# Altium PCB PCB_SIM808_ArduinoNano.PcbDoc
Units mil, origin at the board's own origin, x right, y up, seen from the top; angles counter-clockwise.
Board outline 2764 x 2653 mil, 2 copper layers (Top Layer, Bottom Layer); 19 components, 22 nets, 149 pads, 2 vias.
Unrouted connection lines stored in the file: 1.
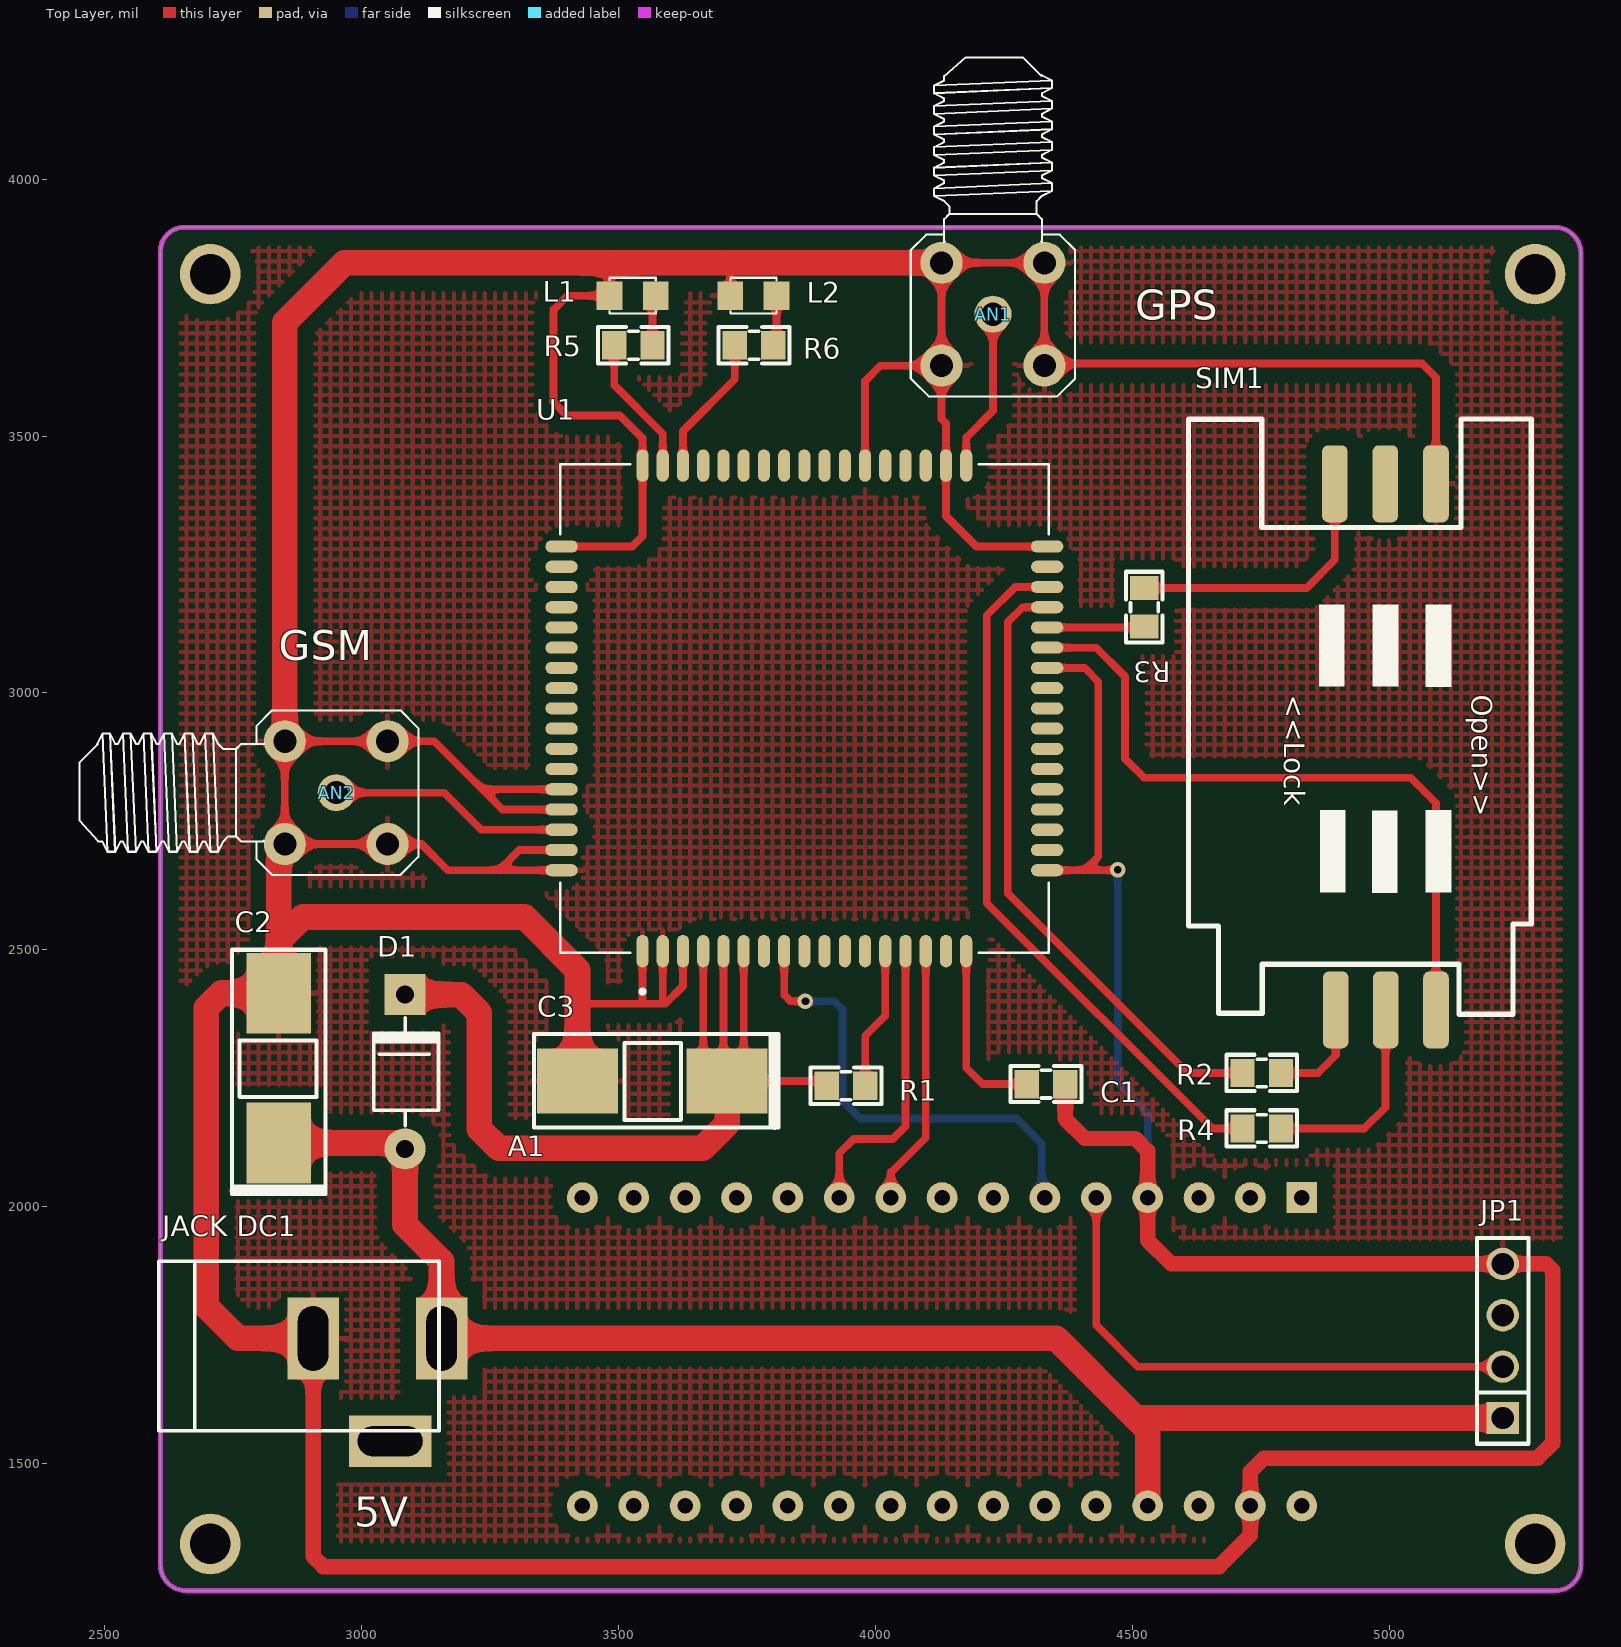
[diagram p0: Top Layer view]
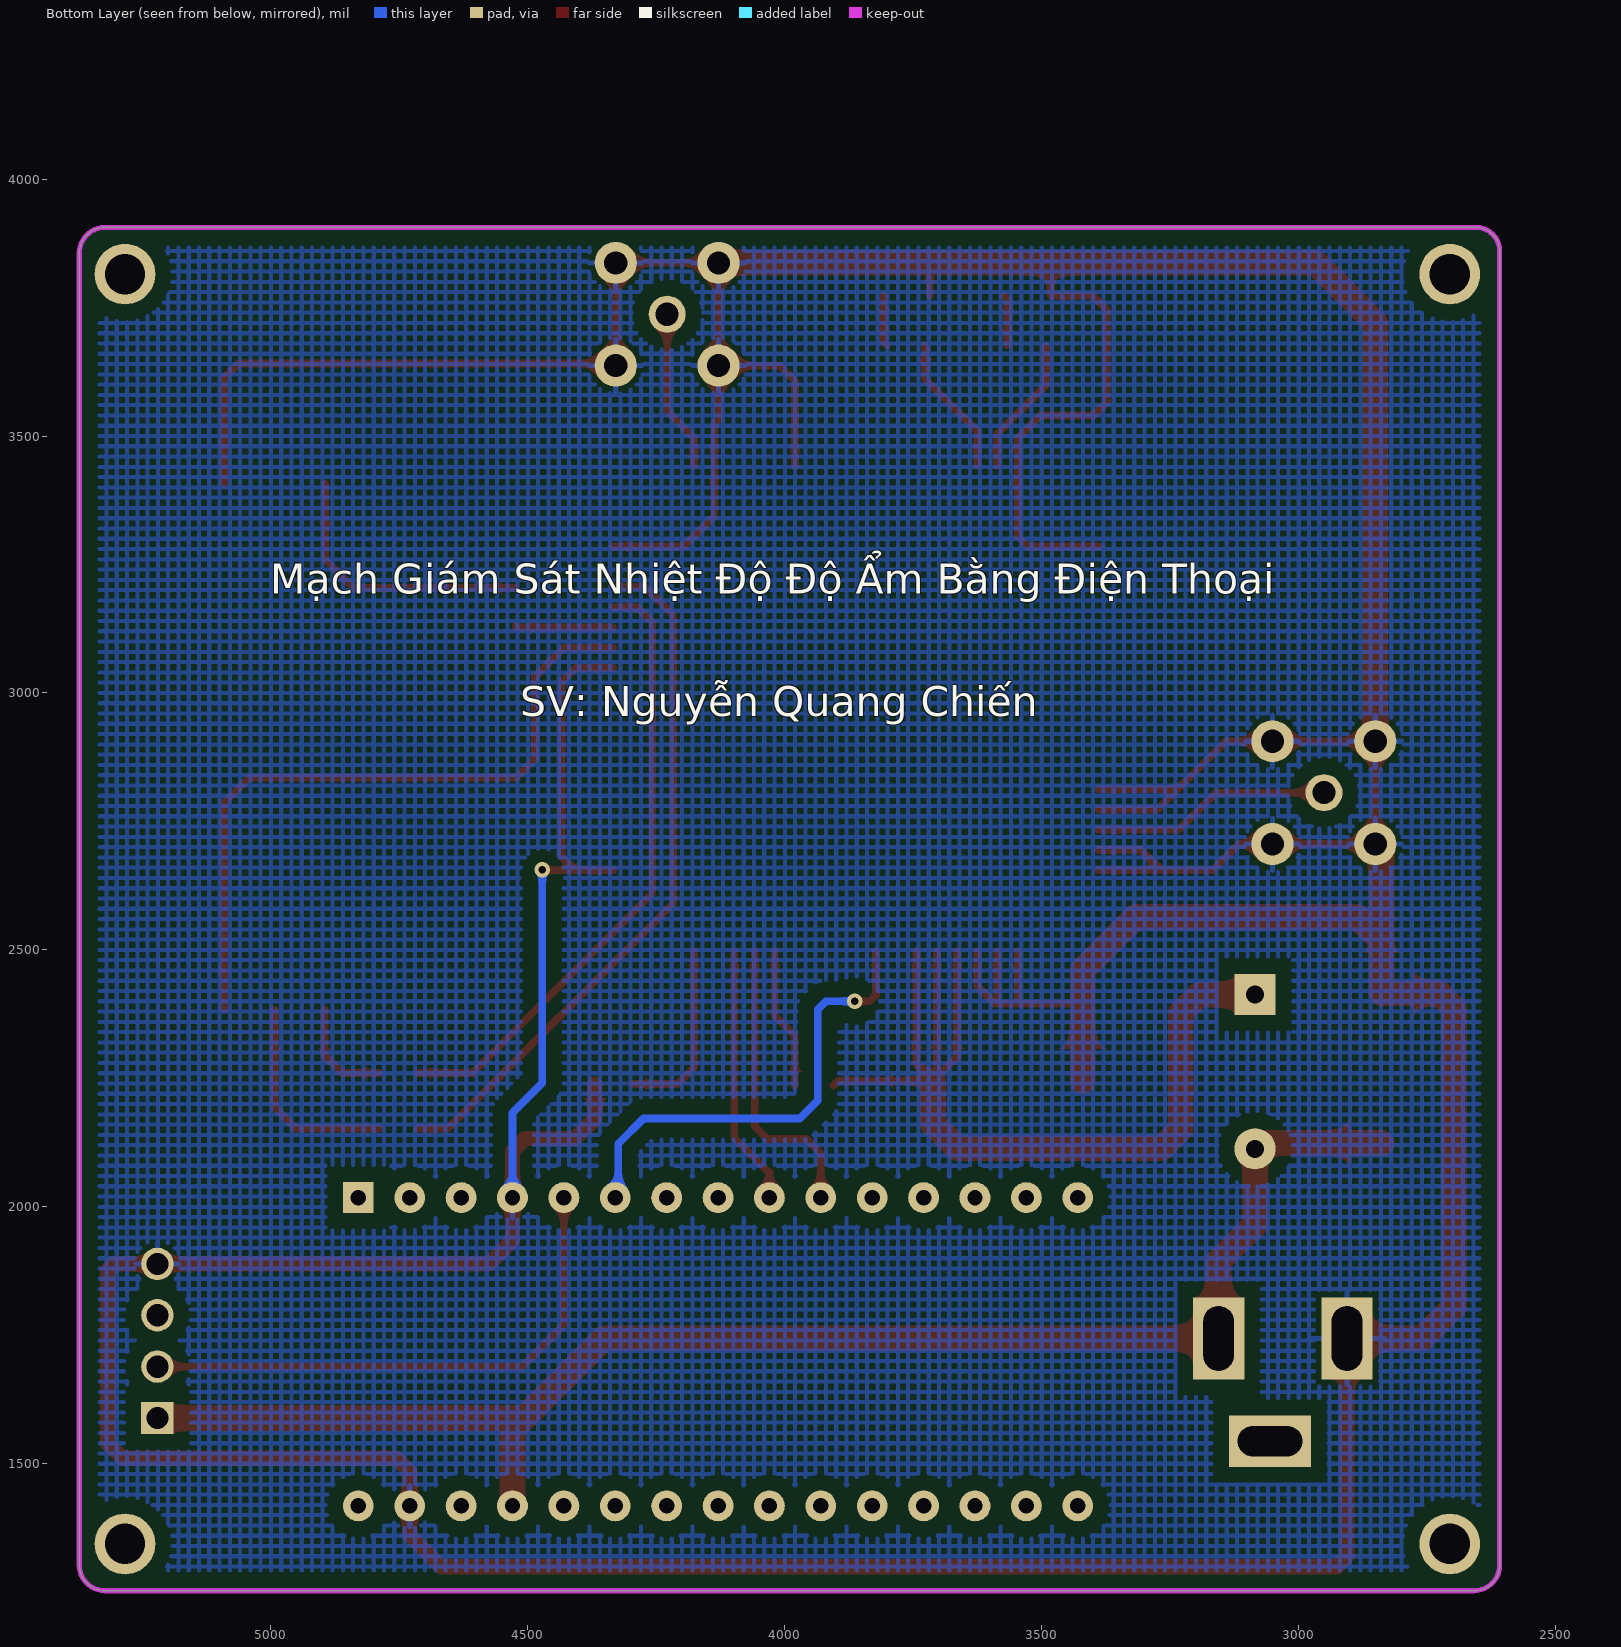
[diagram p1: Bottom Layer view, seen from below]
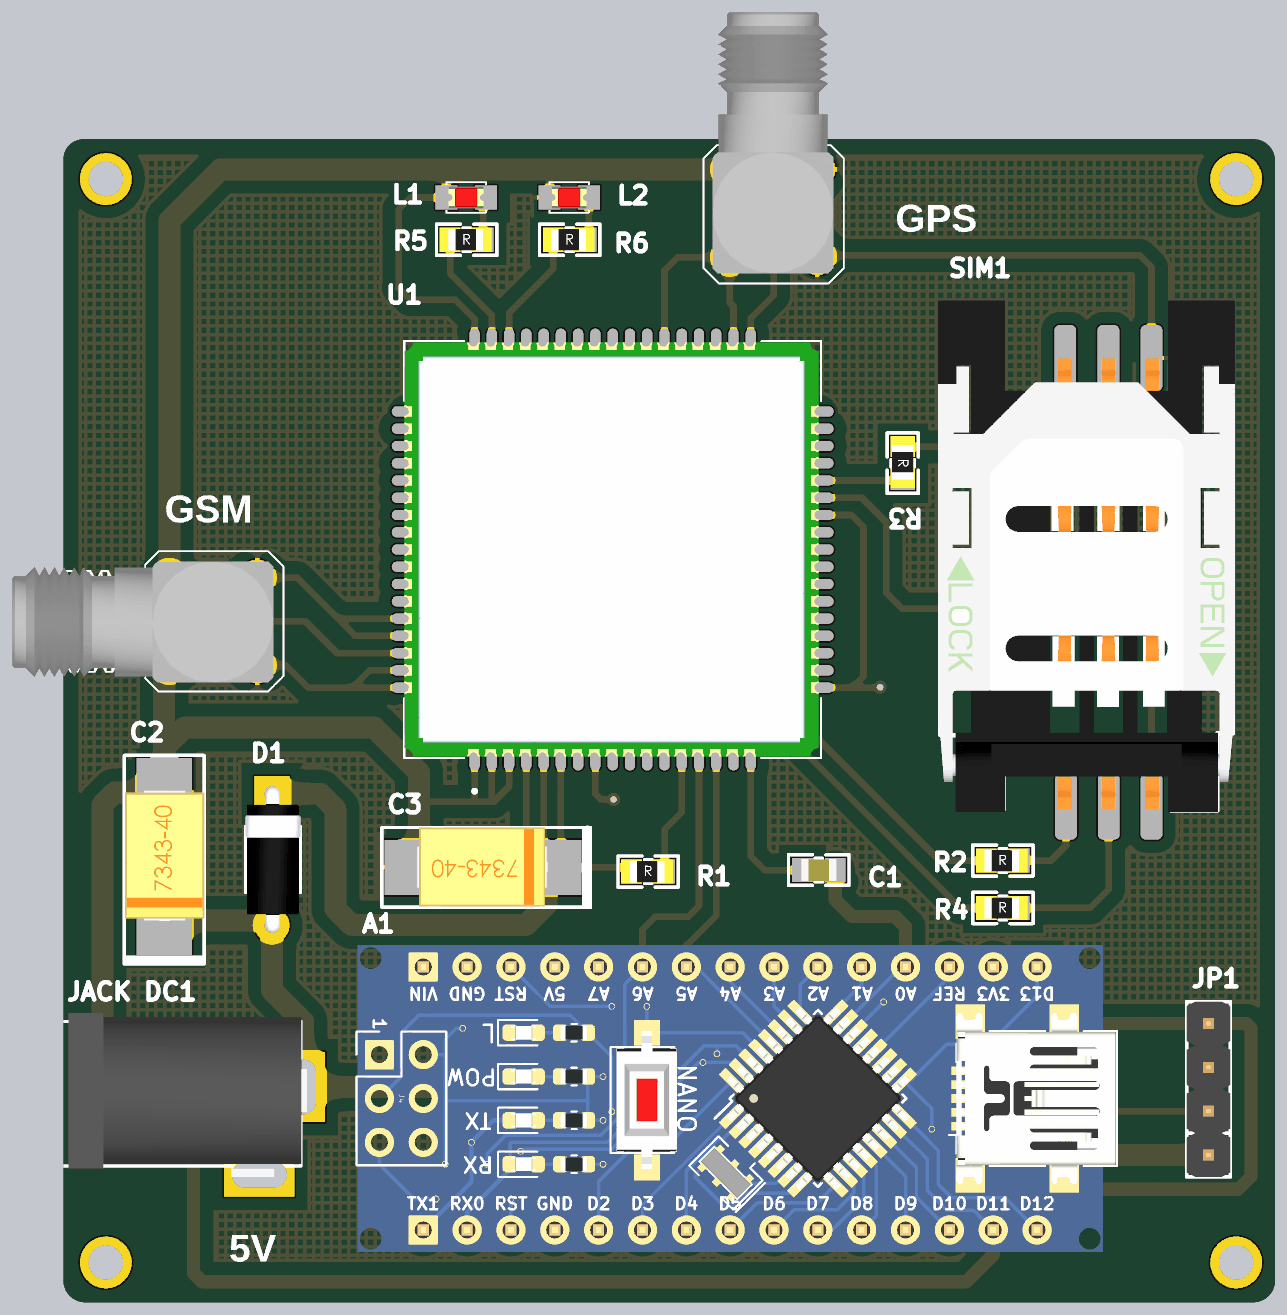
[diagram p2: 3D render of the assembled board from above, using the file's embedded part models]

## Layer stack, top to bottom
Top Solder: solder mask 0.4, Solder Resist, Dk 3.5
Top Layer: signal copper 1.4
Dielectric 1: dielectric 12.6, FR-4, Dk 4.8
Bottom Layer: signal copper 1.4
Bottom Solder: solder mask 0.4, Solder Resist, Dk 3.5

## Board outline
2609,1303 2609,3860 cw(c2655,3860) 2655,3906 5323,3906 cw(c5323,3856) 5373,3856 5373,1303 cw(c5323,1303) 5323,1253 2659,1253 cw(c2659,1303)

## Design rules (kind name [scope] priority, off if disabled: settings)
Clearance Clearance_1 [InPolygon] p1: gap=30
Clearance [All] p2: gap=10
PolygonConnect [All] p1: connectstyle=Relief reliefconductorwidth=10 reliefentries=4 polygonreliefangle="90 Angle" airgapwidth=10
RoutingVias [All] p1: holewidth=28 width=50 viastyle="Through Hole" minholewidth=15 minwidth=30 maxholewidth=20 maxwidth=40
SolderMaskExpansion [All] p1: expansion=4
Width [All] p1: maxlimit=50 minlimit=15 preferedwidth=30
30 further rules are at their usual default settings.

## Components (designator, comment, footprint, x,y, rotation, side; value= is the part's Value field where it differs from the comment)
A1 "Nano" "Arduino nano" 4990,2078 r180 top
AN1 "ANTENA" "DE ANTEN SMA CONG" 4229,3737 r180 top
AN2 "ANTENA" "DE ANTEN SMA CONG" 2951,2806 r270 top
C1 "106" "tu 0805" 4332,2239 r0 top
C2 "470uF" "tu tantalum smd7343" 2839,2270 r90 top
C3 "470uF" "tu tantalum smd7343" 3566,2245 r180 top
D1 "100v" "DIODE 1A" 3085,2063 r270 top
"JACK DC1" "JACK DC 5.5" "JACK DC 5.5" 3031,1644 r0 top
JP1 "DHT11" "JP 1x4 DT" 5221,1589 r90 top
L1 "LED 0805" LED-0805-Red 3572.83,3773 r180 top
L2 "LED 0805" LED-0805-Red 3807.83,3773 r180 top
R1 "10k" "tro smd 0805" 3943,2238 r0 top
R2 "22R" "tro smd 0805" 4752,2263 r0 top
R3 "22R" "tro smd 0805" 4526,3167 r270 top
R4 "22R" "tro smd 0805" 4752,2155 r0 top
R5 "56R" "tro smd 0805" 3529,3679 r0 top
R6 "56R" "tro smd 0805" 3764,3679 r0 top
SIM1 "SIM SOCKET 6P" "SIM SOCKET 6P" 5411,3472 r270 top
U1 "SIM808" SIM808 3862,2970 r90 top

## Footprints (in the part's own frame and the unit in brackets; to place one, negate y for a bottom-side part, rotate by r counter-clockwise, add the part's x,y. Pads: shape width x height; smd on the part's side, far side on the other; paste and mask are expansions set on the pad)
"Arduino nano" [mil] "arduino nano"
  rect 60x60 hole 30: 0(160,60)
  round 60 hole 30: 1(260,60) 2(360,60) 3(460,60) 4(560,60) 5(660,60) 6(760,60) 7(860,60) 8(960,60) 9(1060,60) 10(1160,60) 11(1260,60) 12(1360,60) 13(1460,60) 14(1560,60) 15(1560,660) 16(1460,660) 17(1360,660) 18(1260,660) 19(1160,660) 20(1060,660) 21(960,660) 22(860,660) 23(760,660) 24(660,660) 25(560,660) 26(460,660) 27(360,660) 28(260,660) 29(160,660)
  body extent -25,10 1715,710, height 507
"DE ANTEN SMA CONG" [mil]
  round 72 hole 45: 1(0,0)
  round 82 hole 45: 2(-100,-100) 3(100,-100) 4(100,100) 5(-100,100)
  silkscreen extent -160,-500 160,160, body extent -137,-457 139,137, height 394
"DIODE 1A" [mil] "Diode 1A"
  round 80 hole 35: 1(-50,0)
  rect 80x80 hole 35: 2(-350,0)
  silkscreen extent -305,-61 -95,65, body extent -366,-61 -34,65, height 122
"JACK DC 5.5" [mil] "Jac DC input"
  rect 100x160 hole 59.06 slot 125.98 at 90 deg: 1(125,100) 2(-125,100)
  rect 160x100 hole 59.06 slot 125.98 at 0 deg: 3(25,-100)
  silkscreen extent -425,-80 120,250, body extent -410,-105 134,269, height 434
"JP 1x4 DT" [mm] "4 pins, 1 row, straight, gold plating"
  rect 1.6x1.6 hole 1.1: 1(0,0)
  round 1.6 hole 1.1: 2(2.54,0) 3(5.08,0) 4(7.62,0)
  silkscreen extent -1.27,-1.27 8.89,1.27, body extent -1.27,-1.27 8.89,1.27, height 8.54
LED-0805-Red [mil]
  rect 50x55 smd: 1(0,0) 2(90,0)
  silkscreen extent 0,-35 90,35, body extent 5,-25 85,25, height 43
SIM808 [mm]
  oval 1.6x0.6 smd: 1(-12,8) 2(-12,7) 3(-12,6) 4(-12,5) 5(-12,4) 6(-12,3) 7(-12,2) 8(-12,1) 9(-12,0) 10(-12,-1) 11(-12,-2) 12(-12,-3) 13(-12,-4) 14(-12,-5) 15(-12,-6) 16(-12,-7) 17(-12,-8) 35(12,-8) 36(12,-7) 37(12,-6) 38(12,-5) 39(12,-4) 40(12,-3) 41(12,-2) 42(12,-1) 43(12,0) 44(12,1) 45(12,2) 46(12,3) 47(12,4) 48(12,5) 49(12,6) 50(12,7) 51(12,8)
  oval 0.6x1.6 smd: 18(-8,-12) 19(-7,-12) 20(-6,-12) 21(-5,-12) 22(-4,-12) 23(-3,-12) 24(-2,-12) 25(-1,-12) 26(0,-12) 27(1,-12) 28(2,-12) 29(3,-12) 30(4,-12) 31(5,-12) 32(6,-12) 33(7,-12) 34(8,-12) 52(8,12) 53(7,12) 54(6,12) 55(5,12) 56(4,12) 57(3,12) 58(2,12) 59(1,12) 60(0,12) 61(-1,12) 62(-2,12) 63(-3,12) 64(-4,12) 65(-5,12) 66(-6,12) 67(-7,12) 68(-8,12)
  silkscreen extent -14.1,-12.07 12.07,12.07, body extent -12,-11.94 12,12.07, height 2.8
"SIM SOCKET 6P" [mil]
  rrect50% 150x50 smd: 1(65,-320) 2(1088.62,-320) 3(65,-418.43) 4(1088.62,-417.5) 5(65,-516.85) 6(1088.62,-515)
  silkscreen extent -61,-802 1097,-135, body extent -66,-807 1101,-130, height 103
"tro smd 0805" [mm]
  rect 1.2x1.4 smd: 1(-0.946,-0.061) 2(0.954,-0.061)
  silkscreen extent -1.75,-0.97 1.75,0.84, body extent -1.56,-0.76 1.44,0.64, height 0.53
"tu 0805" [mm] "Compoment SMD 80x50mil"
  rect 1.2x1.4 smd: 1(-0.946,-0.003) 2(0.954,-0.003)
  silkscreen extent -1.75,-0.89 1.75,0.89, body extent -1.01,-0.64 1.01,0.63, height 0.61
"tu tantalum smd7343" [mm]
  rect 4x3.2 smd: 1(-3.7,0) 2(3.7,0)
  silkscreen extent -6.23,-2.31 5.85,2.31, body extent -3.75,-2.33 3.85,2.27, height 3.99

## Part data
A1: library part "Arduino Nano"
AN1 AN2: library part "ANTEN SMA CONG", "Generic Antenna"
C1: library part "Tu 0805 106 16V 10%", "Dán"
C2 C3: library part "Tu tantalum 470uF 10V SMD7343", "Dán"
D1: library part "Diode 1N4007", "C?m"
JP1: library part "JP 1x4 2.54 Duc Thang", "C?m"
L1 L2: library part "LED 0805 Do", "Dán"
R1: library part "Tro 0805 5% 10k", "Dán"
R2 R3 R4: library part "Tro 0805 5% 22R", "Dán"
R5 R6: library part "Tro 0805 5% 56R", "Dán"
U1: "SIM808 GPS, GPRS/GSM RF Arduino Platform Evaluation Expansion Board"

## Free pads (board coordinates)
  round 118.11 hole 78.74: 0(2706,1344) 1(5284,1344) 2(5284,3815) 3(2706,3815)

## Via types
v1: diameter 30, hole 15, Top Layer to Bottom Layer, tented both sides, 2 vias

## Nets (pads, with @x,y where several pads share a name; then routed paths per layer and width w, separated by ;. In a path a pad name is that pad's centre, name@x,y a point inside that pad or via, vN(x,y) a via of type N, cw(c..) or ccw(c..) an arc to the next point about the centre after c; other vN are vias at no path point)
4.2V: C3.1 D1.2 R1.1 U1.4 U1.5 U1.6 | length 1967.1
  Top Layer w15: U1.4 3665.15,2291.52 C3.1@3704.52,2252.15 ; U1.5 C3.1@3704.52,2252.15 ; U1.6 3743.89,2277.22 C3.1 ; R1.1 3896.38,2245 C3.1 ; C3.1@3704.52,2252.15 C3.1
  Top Layer w50: D1.2 3194,2413 3229.5,2377.5 3229.5,2151.5 3267,2114 3664,2114 3711.67,2161.67 C3.1
5V: "JACK DC1.1" A1.26 C2.1 D1.1 JP1.1 | length 2958.8
  Top Layer w50: C2.1 3073.67,2124.33 D1.1 3085,1965 3156,1894 3156,1744 4352,1744 4507,1589 ; A1.26 4530,1456 4530,1566 4507,1589 ; JP1.1 4507,1589
DATA: A1.4 JP1.2 | length 1072.6
  Top Layer w15: A1.4 4430,1770 4511,1689 JP1.2
GND: "JACK DC1.2" A1.3 A1.28 AN1.2 AN1.3 AN1.4 AN1.5 AN2.2 AN2.3 AN2.4 AN2.5 C1.2 C2.2 C3.2 JP1.4 L1.2 L2.2 SIM1.1 U1.1 U1.2 U1.3 U1.18 U1.28 U1.34 U1.36 U1.40 U1.51 U1.52 U1.54 U1.64 U1.65 U1.67 U1.68 | length 15835.4
  Top Layer w15: U1.68 3268.04,2655.04 ; U1.67 3307.41,2694.41 3268.04,2655.04 ; U1.65 3274,2773.15 3274,2774 3235.48,2812.52 ; U1.64 3235.48,2812.52 ; U1.52 3526.96,3284.96 3547.04,3305.04 U1.51 3547.04,3495.96 3503,3540 3400,3540 3373,3567 3374,3568 3374,3746 3401,3773 L1.2 3482.83,3837 ; C3.2 3421,2245.67 3421,2375 3441,2395 3547,2395 ; U1.1 3547.04,2395.04 3547,2395 ; U1.2 3586.41,2399.59 3591,2395 ; U1.3 3625.78,2429.78 3591,2395 ; 3708,3837 3717.83,3827.17 L2.2 ; U1.40 3980.11,3607.11 4010,3637 AN1.4 ; U1.18 4408.04,2655.04 ; U1.28 4407.26,3048.74 4434,3022 4434,2681 4408.04,2655.04 ; U1.34 4197.04,3284.96 4137.59,3344.41 U1.36 4137.59,3524.41 4129,3533 AN1.4 ; v1(4472,2656) 4471.04,2655.04 4408.04,2655.04 ; SIM1.1 5091,3614 5064,3641 4333,3641 AN1.5 AN1.2 AN1.3 AN1.4 ; 3235.48,2812.52 3142,2906 AN2.5 AN2.2 AN2.3 AN2.4 3117,2706 3167.96,2655.04 3268.04,2655.04 ; 3547,2395 3591,2395
  Top Layer w30: 2906,1744 2906,1320 2926,1300 4669,1300 4730,1361 A1.28 4730,1485 4756,1511 5289,1511 5318,1540 5318,1877 5306,1889 JP1.4 4576,1889 4530,1935 A1.3 4530,2109 4506,2133 4408,2133 4369.57,2171.43 C1.2
  Top Layer w50: AN2.3 2839,2694 2839,2530 ; AN2.2 2851,3721 2967,3837 3482.83,3837 3708,3837 AN1.3 ; 2906,1744 2760,1744 2698,1806 2698,2387 2727,2416 2727.33,2415.67 C2.2 2839,2530 ; C3.2 3420.33,2461.67 3318,2564 2886,2564 2852,2530 2839,2530
  Bottom Layer w15: v1(4472,2656) 4472,2241 4530,2183 A1.3
GPS_ANT: AN1.1 U1.35 | length 316.1
  Top Layer w15: U1.35 4176.96,3496.96 4229,3549 AN1.1
GSM_ANT: AN2.1 U1.66 | length 468.5
  Top Layer w15: AN2.1 3161,2806 3233.22,2733.78 U1.66
NetC1_1: C1.1 U1.17 | length 357.7
  Top Layer w15: U1.17 4176.96,2271.04 4209.13,2238.87 C1.1
NetL1_1: L1.1 R5.2 | length 99
  Top Layer w15: R5.2 3566.57,3766.74 L1.1
NetL2_1: L2.1 R6.2 | length 99
  Top Layer w15: R6.2 3807.83,3682.87 L2.1
NETLIGHT: R5.1 U1.50 | length 272.4
  Top Layer w15: R5.1@3491.77,3675.61 3491.77,3599.23 3586.41,3504.59 U1.50
NetR1_2: R1.2 U1.13 | length 278.1
  Top Layer w15: R1.2 3980.57,2332.57 4019.48,2371.48 U1.13
NetR2_2: R2.2 SIM1.6 | length 209.9
  Top Layer w15: R2.2 4861.61,2260.61 4897,2296 4896,2297 SIM1.6
NetR3_1: R3.1 SIM1.5 | length 541.1
  Top Layer w15: R3.1 4839.23,3204.23 4894.15,3259.15 SIM1.5
NetR4_2: R4.2 SIM1.4 | length 410.2
  Top Layer w15: R4.2 4951.61,2152.61 4993,2194 4993,2382.88 SIM1.4
SIM_CLK: R2.1 U1.31 | length 1217.9
  Top Layer w15: U1.31 4286.85,3166.85 4258,3138 4258,2610 4607.39,2260.61 R2.1
SIM_DATA: R3.2 U1.30 | length 190
  Top Layer w15: U1.30 4521.66,3127.48 R3.2
SIM_PWR: A1.5 U1.8 | length 927.1
  Top Layer w15: U1.8 3822.63,2412.37 3835,2400 v1(3864,2400) 3867,2397 3868,2397 v1@3871,2400
  Bottom Layer w15: v1(3864,2400) 3920,2400 3936,2384 3936,2207 3971,2172 4275,2172 4324,2123 4324,2024 A1.5
SIM_RST: R4.1 U1.32 | length 1379.7
  Top Layer w15: U1.32 4272.22,3206.22 4217,3151 4217,2591 4655.39,2152.61 R4.1
SIM_RXD: A1.8 U1.15 | length 509
  Top Layer w15: A1.8 4030,2068 4032,2068 4098.22,2134.22 U1.15
SIM_TXD: A1.9 U1.14 | length 577.5
  Top Layer w15: A1.9 3930,2104 3958,2132 4034,2132 4058.85,2156.85 U1.14
SIM_VDD: SIM1.2 U1.29 | length 1378
  Top Layer w15: U1.29 4429.89,3088.11 4486,3032 4486,2872 4523,2835 5042,2835 5091,2786 SIM1.2
STATUS: R6.1 U1.49 | length 276
  Top Layer w15: U1.49 3625.78,3509.78 3726.77,3610.77 R6.1
pads on no net: "JACK DC1.3" A1.0 A1.1 A1.2 A1.6 A1.7 A1.10 A1.11 A1.12 A1.13 A1.14 A1.15 A1.16 A1.17 A1.18 A1.19 A1.20 A1.21 A1.22 A1.23 A1.24 A1.25 A1.27 A1.29 JP1.3 SIM1.3 U1.7 U1.9 U1.10 U1.11 U1.12 U1.16 U1.19 U1.20 U1.21 U1.22 U1.23 U1.24 U1.25 U1.26 U1.27 U1.33 U1.37 U1.38 U1.39 U1.41 U1.42 U1.43 U1.44 U1.45 U1.46 U1.47 U1.48 U1.53 U1.55 U1.56 U1.57 U1.58 U1.59 U1.60 U1.61 U1.62 U1.63

## Polygon pours and split planes (outlines as drawn)
GND on Top Layer "BOT" (hatched 90Degree grid 20 track 8, remove dead copper, pour order 0): 2610,3906 5372,3906 5372,1253 2609,1253
GND on Bottom Layer "BOT" (hatched 90Degree grid 20 track 8, remove dead copper, pour order 2): 2612,3903 2612,1251 5372,1251 5376,1251 5376,3906

## Keep-outs
Keep-Out Layer:
  lines w10: 2609,1303 ccw(c2659,1303) 2659,1253 5323,1253 ccw(c5323,1303) 5373,1303 5373,3856 ccw(c5323,3856) 5323,3906 2655,3906 ccw(c2655,3860) 2609,3860 2609,3837 2609,1317 2609,1303

## Silkscreen, mask and mechanical layers (free items; w line width, h text height)
Top Overlay:
  text "GPS" at 4506,3707 h100
  text "GSM" at 2839,3044 h100
  text "5V" at 2986,1358 h100
Bottom Overlay:
  text "Mạch Giám Sát Nhiệt Độ Độ Ẩm Bằng Điện Thoại" at 5001,3174 h100
  text "SV: Nguyễn Quang Chiến" at 4515,2935 h100

## Text inside footprints (layer, text, board x,y; h text height)
SIM1: Top Overlay "<<Lock" at 4796,2997 h40 r270; Top Overlay "Open>>" at 5161,2997 h40 r270